# Altium PCB Lay-51943_B.brd.PcbDoc (part 4 of 8) (continued)
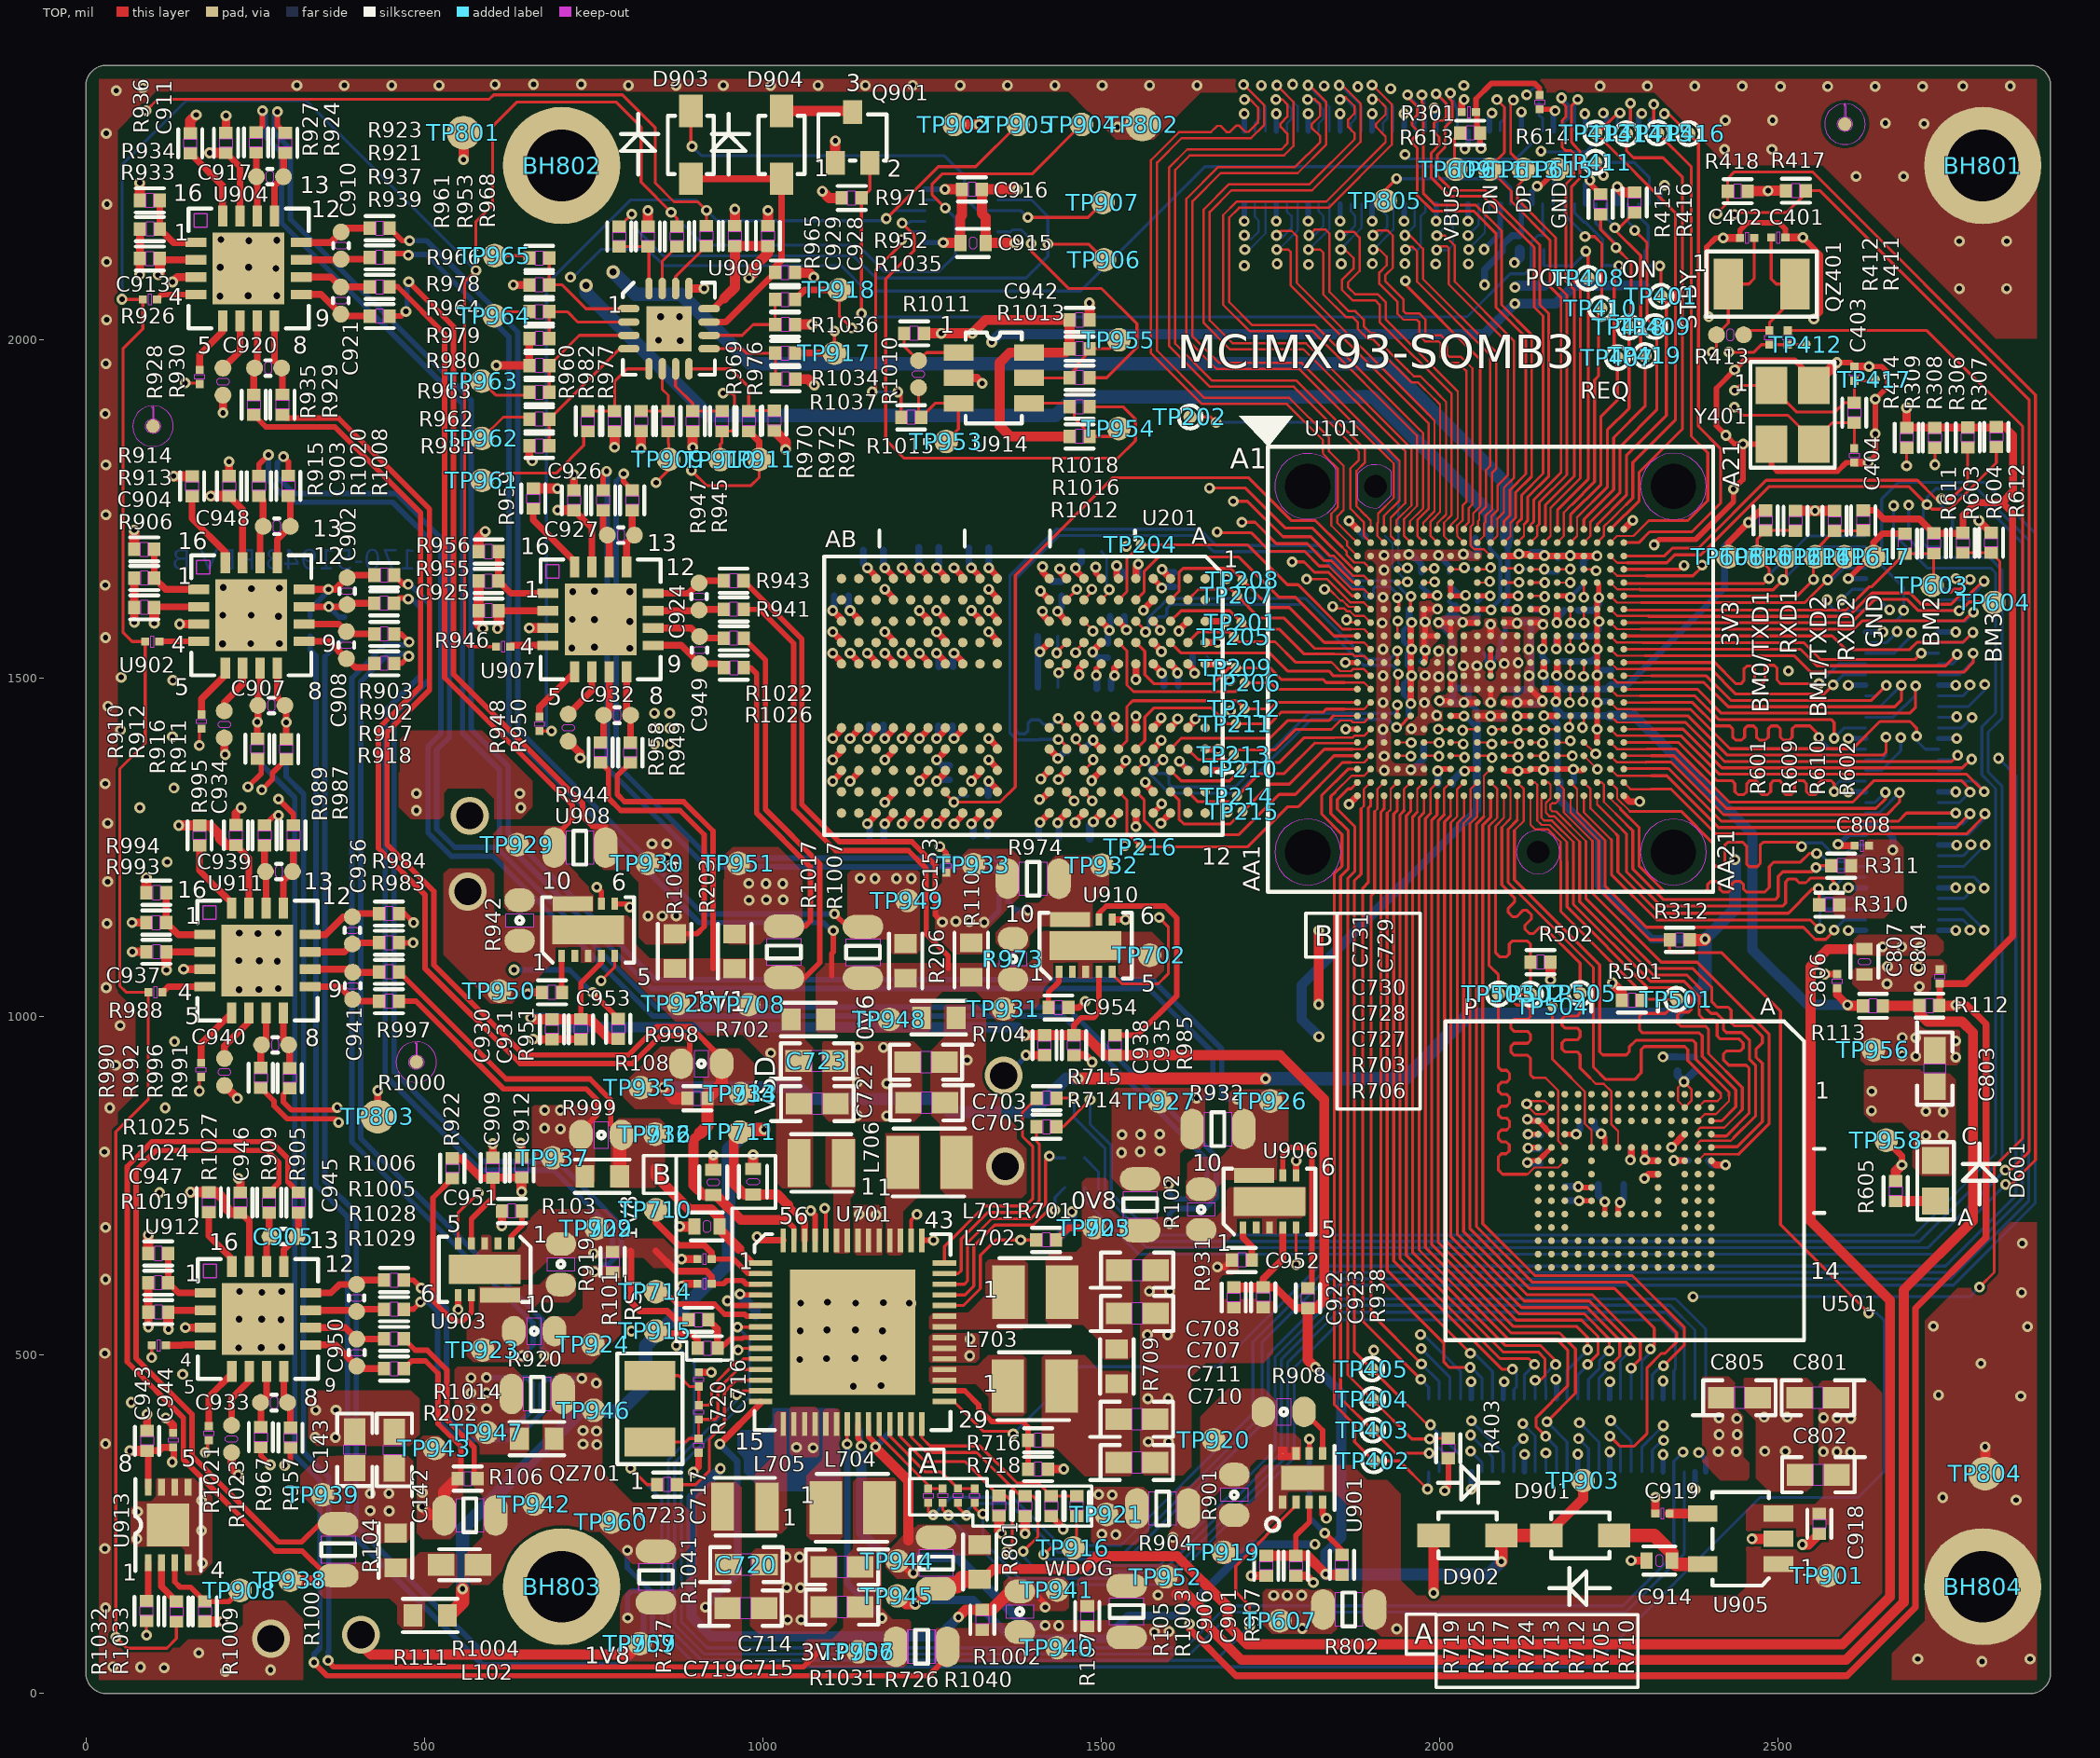
[diagram p0: TOP view]
## Nets (pads, with @x,y where several pads share a name; then routed paths per layer and width w, separated by ;. In a path a pad name is that pad's centre, name@x,y a point inside that pad or via, vN(x,y) a via of type N, cw(c..) or ccw(c..) an arc to the next point about the centre after c; other vN are vias at no path point) (continued)
  BOTTOM w10: v1(1103.63,1600.28) 1105.81,1602.46 C219.2@1105.81,1621.92 ; C215.2@1148.81,1689.42 1148.81,1669.3 v1(1154.83,1663.28) ; v1(1154.83,1285.28) 1158.2,1281.91 C222.2@1158.2,1265.81 ; v1(1154.83,1411.28) 1157.58,1414.03 C220.2@1157.58,1431.2 ; v1(1257.23,1348.28) 1259.35,1350.4 C209.2@1276.46,1350.4 ; v1(1257.23,1411.28) 1259.37,1413.42 C213.2@1259.37,1429.76 ; v1(1257.23,1537.28) 1260.25,1534.26 C210.2@1260.25,1516.94 ; v1(1257.23,1663.28) 1260.27,1666.32 C201.2@1260.27,1694.02 ; C207.2@1304.74,1693.39 1304.74,1666.97 v1(1308.43,1663.28) ; v1(1308.43,1285.28) 1311.25,1282.46 C212.2@1311.25,1267.24 ; R201.2@1333.56,1326.23 1333.56,1347.81 v1(1334.03,1348.28) ; R207.1@1406.39,1562.41 1406.39,1542.85 v1(1409.92,1539.32) 1406.82,1536.22 R208.1@1406.82,1486.62 ; v1(1435.87,1599.06) 1442.01,1605.2 C211.2@1442.01,1622.19 ; v1(1436.05,1286.68) 1437.81,1284.92 C206.2@1437.81,1264.33 ; v1(1436.31,1381.59) 1447.3,1392.58 C203.2@1451.24,1392.58 ; v1(1493,1443.98) 1499.88,1437.1 C208.2@1499.88,1425.87 ; v1(1493,1504.58) 1494.01,1503.57 C214.2@1494.01,1484.94 ; C205.2@1510.08,1551.83 1510.08,1568.57 v1(1512.57,1571.06) 1513.47,1571.96 C221.2@1513.47,1591.72 ; C204.2@1555.3,1650.61 v1@1555.3,1668.66 ; v1(1590.31,1661.23) 1594.98,1656.56 C216.2@1608.49,1656.56 ; v1(1613.14,1508.05) 1614.13,1507.06 C217.2@1614.13,1488.87 ; C218.2@1653.46,1366.12 1677.31,1366.12 v1(1680.47,1362.96) ; v1(1866.4,1732.8) 1888.99,1710.21 R204.2@1890.81,1710.21 ; C156.2@1916.64,1405.69 1916.84,1405.89 v1(1916.84,1424.75) ; v1(1954.93,1683.2) 1958.62,1683.2 1973.42,1668.4 C144.2@1973.42,1657.11 ; C152.2@1955.28,1602.08 1955.28,1586.27 v1(1959.01,1582.54) ; v1(1957.84,1364.99) 1960.4,1364.99 1976.46,1381.05 C141.2@1976.46,1402.3 ; v1(2000.23,1466.86) 2001.59,1465.5 C137.2@2017.23,1465.5 ; v1(2018.97,1540.57) 2018.97,1558.96 C124.2@2016.65,1561.28 2016.65,1564.86 v1(1998.97,1582.54) 2004.38,1582.54 C132.2@2014.48,1592.64 2024.68,1592.64 v1(2034.37,1582.95) 2046.42,1582.95 C134.2@2056.4,1592.93 ; v1(2019.01,1503.12) 2019.01,1487.2 C138.2@2020.47,1485.74 ; C116.2@2019.18,1343.55 2019.18,1348.68 2033.79,1363.29 v1(2037.46,1363.29) ; v1(2035.49,1683.67) 2036.7,1682.46 R302.1@2057.1,1682.46 2057.1,1692.25 2053.21,1696.14 C155.2@2053.21,1707.32 ; C114.2@2094.86,1483.81 2114.2,1483.81 C107.2@2114.3,1483.71 ; C117.2@2096.88,1463.25 2113.98,1463.25 v1(2115.15,1464.42) ; v1(2114.83,1581.62) 2116.53,1583.32 C102.2@2135.81,1583.32 ; v1(2130.03,784.66) 2130.67,784.02 C506.2@2149.11,784.02 ; v1(2131.04,826.56) 2131.95,825.65 C505.2@2149.42,825.65 ; R303.2@2135.89,1686.25 2150.74,1686.25 v1(2155.4,1681.59) ; v1(2152.19,1466.7) 2147.47,1461.98 C131.2@2133.27,1461.98 2130.83,1464.42 v1(2115.15,1464.42) ; v1(2153.12,1579.8) 2149.6,1583.32 C102.2@2135.81,1583.32 ; R305.2@2175.22,1677.29 2179.52,1681.59 v1(2193.39,1681.59) ; C135.2@2179.85,1525.06 2224.66,1525.06 2233.2,1533.6 v1(2233.2,1543.21) ; C503.2@2186,749.29 2205.12,749.29 v1(2205.31,749.1) ; C130.2@2192.81,1562.5 2226.42,1562.5 2235.95,1572.03 v1(2235.95,1583.97) ; v1(2198.05,1365.65) 2198.83,1364.87 C129.2@2198.83,1346.8 ; C148.2@2205.45,1600.71 2227.09,1600.71 2235.62,1609.24 v1(2235.62,1619.36) ; C149.2@2212.84,1660.18 2212.84,1674.02 2219.78,1680.96 v1(2233.04,1680.96) ; C507.2@2228.82,845.33 2228.82,837.45 v1(2239.11,827.16) ; v1(2233.2,1464.51) 2234.55,1465.86 C118.2@2251.94,1465.86 ; v1(2233.2,1504.59) 2240.73,1512.12 C119.2@2254.12,1512.12 ; v1(2267.11,725.61) 2272.43,730.93 C501.2@2272.43,752.27 ; v1(2282.27,788.5) 2283.24,789.47 C502.2@2283.24,806.33 ; v1(2330.44,940.75) C508.2@2351.83,940.75 2351.88,940.7 C509.2@2377.64,940.7 ; C504.2@2397.17,787.6 2403.63,781.14 v1(2422.97,781.14) ; C137.2@2017.23,1465.5 2018.31,1464.42 v1(2036.36,1464.42) 2042.69,1470.75 C108.2@2042.69,1485.27 2042.22,1485.74 C138.2@2020.47,1485.74 ; C137.2@2017.23,1465.5 2017.23,1470.32 2020.47,1473.56 C138.2@2020.47,1485.74 ; C107.2@2114.3,1483.71 2114.3,1465.27 v1(2115.15,1464.42) ; C107.2@2114.3,1483.71 2133.91,1483.71 C145.2@2136.1,1485.9 2136.1,1500.44 v1(2132.65,1503.89) 2136.13,1507.37 2136.13,1539.1 v1(2132.17,1543.06) 2133.04,1543.93 2133.04,1546.02 2135.21,1548.19 C110.2@2135.21,1562.15 2135.21,1582.72 C102.2@2135.81,1583.32
  BOTTOM w12: C202.2@1483.6,1263.51 1483.6,1283 v1(1488.77,1288.17)
  BOTTOM w15: v1(2110.88,2114.2) 2118.86,2122.18 C809.2@2118.86,2133.32 ; v1(2111.84,2077.86) 2114.18,2080.2 C405.2@2155.37,2080.2
  other v1: 205.82,32.78 273,34.91 115.59,38.13 39.89,39.66 80.6,39.12 2801.85,47.32 2707.03,51.14 2872.96,51.14 166.81,60.14 1036.84,109.03 1056.84,109.03 28.98,126.9 1035.77,156.55 1055.77,156.55 172.22,192.7 1034.69,201.57 1054.69,201.57 28.03,214.16 75.43,228.62 170.95,240.88 76.28,268.77 170.95,285.26 2852.31,285.89 2743.73,289.71 2480.88,358.12 2511.39,358.12 28.98,369.14 1570.02,372.1 1600.02,372.1 338.74,378.66 368.74,378.66 2479.83,408.35 2514.02,408.61 339.59,418.81 369.59,418.81 66.94,430.22 1569.3,435.75 1599.3,435.75 2859.2,439.59 2737.62,441.12 143.12,471.7 2800.32,487.76 28.03,502.76 1568.59,530.14 1598.59,530.14 2869.14,542.05 2729.97,542.82 2860.39,592.65 1571.45,594.49 1601.45,594.49 28.98,612.1 2861.44,665.2 28.98,688.86 108.71,740.1 27.47,800.36 2718.9,824.57 2744.4,824.25 1183.55,853.67 1140.03,853.96 2718.91,860.27 2744.41,859.95 2638.58,861.23 35.3,865.5 117.12,865.5 2638.9,889.92 1183.56,901.31 1140.03,902.78 43.81,928.55 1140.91,954.84 1178.56,954.84 130.89,963.38 50.6,987.08 30.14,1043.15 2709.35,1044.84 2661.53,1048.67 2662.17,1074.17 2708.39,1074.17 31.19,1137.77 32.24,1199.66 120.18,1228.71 1535.12,1253.1 32.24,1286.06 1686.89,1302.55 79.65,1309.01 130.12,1338.06 28.57,1344.37 1918.53,1364.12 1918.46,1385.16 127.83,1413.76 51.36,1423.7 1691.6,1451.91 32.77,1458.96 1916.84,1464.43 1690.59,1496.41 128.59,1497.11 52.13,1501.7 1916.84,1503.8 1916.84,1543.17 29.09,1560.42 1915.55,1581.93 1916.74,1620.04 28.56,1637.69 1685.66,1647.21 1918.24,1660.28 1918.24,1681.96 1537.42,1694.88 29.61,1741.77 29.61,1815.37 28.56,1891.06 29.61,1965.18 30.67,2029.84 2768.37,2076.02 2838.37,2076.02 30.67,2115.53 2768.37,2146.02 2838.37,2146.02 31.2,2200.69 2615.92,2241.69 2685.92,2241.69 2421.42,2281.64 2491.42,2281.64 30.15,2305.3 2716.32,2319.49 2659.03,2320.54 2422.48,2324.74 2492.48,2324.74 44.86,2368.37 83.76,2372.58 2503.95,2374.68 2573.95,2374.68 2643.95,2374.68 2713.95,2374.68 2237.43,2375.21 2307.43,2375.21 2377.43,2375.21 2447.43,2375.21 2773.62,2375.2 2843.62,2375.2 311.85,2376.25 381.85,2376.25 451.85,2376.25 521.85,2376.25 801.85,2376.25 871.85,2376.25 941.85,2376.25 1011.85,2376.25 1081.85,2376.25 1151.85,2376.25 1221.85,2376.25 1291.85,2376.25 1361.85,2376.25 1431.85,2376.25 1501.85,2376.25 1571.85,2376.25 1641.85,2376.25 604.57,2377.59 661.47,2377.84 732.03,2377.84
  other v2: 1134.02,454.15 1175.18,454.89 1054.84,493.53 1094.5,495.02 1136.4,495.39 1178.54,495.51 225.72,510.73 259.01,511.1 289.55,511.97 1055.4,536 1177.23,535.91 1095.06,537.49 1137.15,537.49 288.24,552.37 226.28,553.2 259.76,553.2 1056.19,576.89 1137.38,576.89 1178.54,577.63 1216.7,576.89 1095.85,578.38 259.99,592.6 227.07,594.09 289.55,594.09 226.32,1040.08 255.66,1040.52 284.32,1041.76 256.41,1082.62 283.01,1082.16 225.92,1082.99 254.39,1123.14 226.71,1123.88 284.32,1123.88 803.79,1544.45 718.11,1544.88 751.36,1546.07 201.77,1550.87 243.67,1551.24 285.81,1551.36 803.79,1584.2 718.67,1587.35 751.36,1587.01 284.5,1591.76 202.33,1593.34 244.42,1593.34 719.46,1628.24 803.79,1628.16 751.36,1628.78 244.65,1632.74 285.81,1633.48 203.12,1634.23 846.28,1999.78 878.08,1999.03 849.46,2034.57 877.33,2034.39 198.03,2064.96 239.93,2065.33 282.07,2065.45 280.76,2105.85 198.59,2107.43 240.68,2107.43 240.91,2146.83 282.07,2147.57 199.38,2148.32
  other v3: 1711.91,2109.92 1806.72,2111.61 1760.16,2112.7 1855.04,2112.73 1901.05,2112.76 1949.13,2112.75 1994.73,2112.22 2042.98,2112.53 1928.13,2371.48 1879.56,2374.34 1829.79,2375.64 1737,2376.32 2036.21,2376.17 1783.32,2377.84
  other v4: 273.52,81.17 567.37,1297.05
GPIO_IO00: J803.22 U101.J21 | length 591.8
  TOP w4.4: U101.J21@2272.57,1562.85 2580.33,1562.85 2600.57,1542.61 2695.1,1542.61 2705.96,1553.47 2773.92,1553.47 v1(2788.41,1567.96)
  BOTTOM w4.4: J803.22@2737.55,1552.93 2773.38,1552.93 v1(2788.41,1567.96)
GPIO_IO01: J803.24 U101.J20 | length 502.8
  TOP w3.2: U101.J20@2252.89,1562.85 2262.82,1552.92 2300.16,1552.92
  TOP w4.4: 2300.16,1552.92 2538.23,1552.92 2563.05,1528.1 2702.97,1528.1 v1(2712.05,1537.18)
  BOTTOM w4.4: v1(2712.05,1537.18) J803.24@2737.55,1537.18
GPIO_IO02: J803.28 U101.K20 | length 640.7
  TOP w3.2: U101.K20@2252.89,1543.17 2262.64,1533.42 2303.48,1533.42
  TOP w4.4: 2303.48,1533.42 2524.67,1533.42 2548.79,1509.3 2774.7,1509.3 2788.73,1523.33 v1(2788.73,1537.36)
  BOTTOM w4.4: J803.28@2737.55,1505.68 2768.53,1505.68 2788.73,1525.88 v1(2788.73,1537.36)
GPIO_IO03: J803.26 U101.K21 | length 547.4
  TOP w4.4: U101.K21@2272.57,1543.17 2533.51,1543.17 2557.98,1518.7 2748.22,1518.7 v1(2765.14,1535.62)
  BOTTOM w4.4: J803.26@2737.55,1521.43 2758.14,1521.43 2765.14,1528.43 v1(2765.14,1535.62)
GPIO_IO04: J803.23 U101.L17 | length 653.9
  TOP w3.6: v1(2193.25,1504.66) 2193.83,1505.24 U101.L17@2193.83,1523.48
  L3_INT_1 w3.6: v1(2193.25,1504.66) 2193.25,1499.66 2209.72,1483.19 2527.99,1483.19 2580.88,1536.08 2666.32,1536.08 v1(2697.88,1567.64)
  BOTTOM w4.4: J803.23@2629.85,1537.18 2672.2,1537.18 2697.88,1562.86 v1(2697.88,1567.64)
GPIO_IO05: J803.21 U101.L18 | length 576.2
  TOP w3.6: v1(2213.18,1502.91) 2213.23,1502.96 2213.23,1505.84 2213.52,1506.13 U101.L18@2213.52,1523.48
  L3_INT_1 w3.6: v1(2213.18,1502.91) 2224.3,1491.79 2524.42,1491.79 2585.29,1552.66 2662.8,1552.66 2676.35,1566.21 v1(2676.35,1569.23)
  BOTTOM w4.4: J803.21@2629.85,1552.93 2661.11,1552.93 2676.35,1568.17 v1(2676.35,1569.23)
GPIO_IO06: J803.27 U101.L20 | length 408.2
  TOP w3.2: U101.L20@2252.89,1523.48 2262.64,1513.73 2301.16,1513.73
  TOP w4.4: 2301.16,1513.73 2401.28,1513.73 2438.12,1476.89 2568.23,1476.89 v1(2581.84,1490.5)
  BOTTOM w4.4: v1(2581.84,1490.5) 2597.02,1505.68 J803.27@2629.85,1505.68
GPIO_IO07: J803.25 U101.L21 | length 469.2
  TOP w4.4: U101.L21@2272.57,1523.48 2407.01,1523.48 2438.4,1492.09 2445.58,1492.09 2449.98,1496.49 2449.98,1513.97 2454.38,1518.37 2461.51,1518.37 2465.91,1513.97 2465.91,1496.49 2470.31,1492.09 2476.54,1492.09 2480.94,1496.49 2480.94,1516.27 2484.06,1519.39 2494.82,1519.39 2498.96,1515.25 2498.96,1497.62 2504.49,1492.09 v1(2560.9,1492.09)
  BOTTOM w4.4: v1(2560.9,1492.09) 2590.24,1521.43 J803.25@2629.85,1521.43
GPIO_IO08: J803.33 U101.M20 | length 540.7
  TOP w3.2: U101.M20@2252.89,1503.8 2262.65,1494.04 2301.74,1494.04
  TOP w4.4: 2301.74,1494.04 2390.9,1494.04 2426.85,1458.09 2672.94,1458.09 2682.76,1467.91 v1(2682.76,1489.86)
  BOTTOM w4.4: J803.33@2629.85,1458.44 2651.15,1458.44 2682.57,1489.86 v1(2682.76,1489.86)
GPIO_IO09: J803.31 U101.M21 | length 449.3
  TOP w3.2: U101.M21@2272.57,1503.8 2313.43,1503.8
  TOP w4.4: 2313.43,1503.8 2394.45,1503.8 2430.76,1467.49 2638.52,1467.49 v1(2660.57,1489.54)
  BOTTOM w4.4: J803.31@2629.85,1474.19 2645.22,1474.19 v1(2660.57,1489.54)
GPIO_IO10: J803.34 U101.N17 | length 749.7
  TOP w3.6: v1(2192.39,1464.13) 2192.99,1464.73 2192.99,1468.02 2193.83,1468.86 U101.N17@2193.83,1484.11
  L3_INT_1 w3.6: v1(2192.39,1464.13) 2213.41,1443.11 2430.65,1443.11 2448.61,1461.07 2775.88,1461.07 v1(2805.94,1491.13)
  BOTTOM w4.4: J803.34@2737.55,1458.44 2781.85,1458.44 2805.94,1482.53 v1(2805.94,1491.13)
GPIO_IO11: J803.32 U101.N18 | length 668.9
  TOP w3.6: v1(2212.33,1465.68) 2212.33,1482.92 U101.N18@2213.52,1484.11
  L3_INT_1 w3.6: v1(2212.33,1465.68) 2226.3,1451.71 2427.07,1451.71 2445.03,1469.67 2763.74,1469.67 2784.05,1489.98 v1(2784.05,1490.18)
  BOTTOM w4.4: J803.32@2737.55,1474.19 2773.69,1474.19 2784.05,1484.55 v1(2784.05,1490.18)
GPIO_IO12: J803.37 U101.N20 | length 427
  TOP w3.2: U101.N20@2252.89,1484.11 2262.82,1474.18 2296.51,1474.18
  TOP w4.4: 2296.52,1474.17 2377.82,1474.17 2412.7,1439.29 2578.95,1439.29 2583.35,1434.89 v1(2583.35,1411.63)
  BOTTOM w4.4: v1(2583.35,1411.63) v1(2583.35,1411.63) 2598.6,1426.94 J803.37@2629.85,1426.94
GPIO_IO13: J803.35 U101.N21 | length 582
  TOP w4.4: U101.N21@2272.57,1484.11 2381.18,1484.11 2416.6,1448.69 2694.95,1448.69 2703.61,1457.35 2703.61,1488.92 v1(2703.75,1489.06)
  BOTTOM w4.4: J803.35@2629.85,1442.69 2670.79,1442.69 2703.61,1475.51 2703.61,1488.92 v1(2703.75,1489.06)
GPIO_IO14: J803.42 U101.P20 | length 557.3
  TOP w3.2: U101.P20@2252.89,1464.43 2262.83,1454.49 2285.38,1454.49
  TOP w4.4: 2285.38,1454.49 2370.88,1454.49 2429.38,1395.99 2610.65,1395.99 2651,1436.34 2695.34,1436.34 2705.2,1426.48 v1(2705.2,1414.63)
  BOTTOM w4.4: v1(2705.2,1414.63) 2707.44,1412.39 2707.44,1406.02 2718.01,1395.45 J803.42@2737.55,1395.45
GPIO_IO15: J803.41 U101.P21 | length 483.5
  TOP w3.2: U101.P21@2272.58,1464.42 2313.43,1464.42
  TOP w4.4: 2313.43,1464.42 2374.26,1464.42 2408.79,1429.89 2429,1429.89 2433.4,1425.49 2433.4,1413.24 2437.8,1408.84 2446.6,1408.84 2451,1413.24 2451,1425.49 2455.4,1429.89 2464.2,1429.89 2468.6,1425.49 2468.6,1413.24 2473,1408.84 2481.8,1408.84 2486.2,1413.24 2486.2,1425.49 2490.6,1429.89 2499.4,1429.89 2503.8,1425.49 2503.8,1413.24 2508.2,1408.84 2517,1408.84 2521.4,1413.24 2521.4,1425.49 2525.8,1429.89 2547.41,1429.89 2560.61,1416.69 v1(2560.61,1412.77)
  BOTTOM w4.4: v1(2560.61,1412.77) 2560.71,1412.77 2578.03,1395.45 J803.41@2629.85,1395.45
GPIO_IO16: J803.43 U101.R21 | length 495.3
  TOP w4.4: U101.R21@2272.57,1444.74 2367.32,1444.74 2425.47,1386.59 2655.54,1386.59 2659.94,1390.99 v1(2659.94,1413.35)
  BOTTOM w4.4: J803.43@2629.85,1379.7 2653.06,1379.7 2659.94,1386.58 v1(2659.94,1413.35)
GPIO_IO17: J803.44 U101.R20 | length 575.5
  TOP w3.2: U101.R20@2252.89,1444.74 2262.64,1434.99 2303.66,1434.99
  TOP w4.4: 2303.66,1434.99 2363.76,1434.99 2421.56,1377.19 2756.71,1377.19 v1(2765.77,1386.25)
  BOTTOM w4.4: J803.44@2737.55,1379.7 2759.22,1379.7 v1(2765.77,1386.25)
GPIO_IO18: J803.36 U101.R18 | length 625.5
  TOP w3.6: v1(2211.4,1427.36) 2213.52,1429.48 U101.R18@2213.52,1444.74
  L3_INT_1 w3.6: v1(2211.4,1427.36) 2226.74,1412.02 2507.32,1412.02 2547.77,1452.47 2755.27,1452.47 v1(2764.5,1443.24)
  BOTTOM w4.4: J803.36@2737.55,1442.69 2763.95,1442.69 v1(2764.5,1443.24)
GPIO_IO19: J803.38 U101.R17 | length 710.7
  TOP w3.6: v1(2191.4,1427.7) 2193.83,1430.13 U101.R17@2193.83,1444.74
  L3_INT_1 w3.6: v1(2191.4,1427.7) 2192.69,1427.7 2219.1,1401.29 2508.76,1401.29 2551.34,1443.87 2742.93,1443.87 2758.36,1428.44 2773.53,1428.44 v1(2787.29,1442.2)
  BOTTOM w4.4: J803.38@2737.55,1426.94 2772.03,1426.94 v1(2787.29,1442.2)
GPIO_IO20: J803.48 U101.T20 | length 665.9
  TOP w3.2: U101.T20@2252.89,1425.06 2262.79,1415.16 2313.43,1415.16
  TOP w4.4: 2313.43,1415.16 2356.98,1415.16 2413.75,1358.39 2779.29,1358.39 v1(2805.04,1332.64)
  BOTTOM w4.4: J803.48@2737.55,1348.2 2792.04,1348.2 2805.04,1335.2 v1(2805.04,1332.64)
GPIO_IO21: J803.46 U101.T21 | length 598.6
  TOP w3.2: U101.T21@2272.57,1425.06 2313.43,1425.06
  TOP w4.4: 2313.43,1425.06 2360.39,1425.06 2417.66,1367.79 2772.81,1367.79 2785.62,1380.6 v1(2786.42,1380.6)
  BOTTOM w4.4: J803.46@2737.55,1363.95 2768.97,1363.95 2785.62,1380.6 v1(2786.42,1380.6)
GPIO_IO22: J803.45 U101.U18 | length 601.1
  TOP w3.2: U101.U18@2213.52,1405.37 2220.43,1398.46 2221.2,1398.46 v1(2231.17,1388.49)
  L3_INT_1 w3.6: v1(2231.17,1388.49) 2231.17,1386.08 2241.68,1375.57 2678.34,1375.57 2681.94,1379.17 v1(2681.94,1412.71)
  BOTTOM w4.4: J803.45@2629.85,1363.95 2652.94,1363.95 2681.94,1392.95 v1(2681.94,1412.71)
GPIO_IO23: J803.52 U101.U20 | length 643.4
  TOP w3.2: U101.U20@2252.89,1405.37 2262.65,1395.61 2306.01,1395.61
  TOP w4.4: 2306.01,1395.61 2349.91,1395.61 2428.27,1317.25 2610.65,1317.25 2642.39,1348.99 2771.48,1348.99 2784.05,1336.42 v1(2784.05,1331.84)
  BOTTOM w4.4: J803.52@2737.55,1316.71 2768.92,1316.71 v1(2784.05,1331.84)
GPIO_IO24: J803.47 U101.U21 | length 529.8
  TOP w4.4: U101.U21@2272.57,1405.37 2353.46,1405.37 2409.84,1348.99 2432.38,1348.99 2436.78,1344.59 2436.78,1332.66 2441.18,1328.26 2449.98,1328.26 2454.38,1332.66 2454.38,1344.59 2458.78,1348.99 2467.58,1348.99 2471.98,1344.59 2471.98,1332.66 2476.38,1328.26 2485.18,1328.26 2489.58,1332.66 2489.58,1344.59 2493.98,1348.99 2502.78,1348.99 2507.18,1344.59 2507.18,1332.66 2511.58,1328.26 2520.38,1328.26 2524.78,1332.66 2524.78,1344.59 2529.18,1348.99 2537.98,1348.99 2542.38,1344.59 2542.38,1332.66 2546.78,1328.26 2555.58,1328.26 2559.98,1332.66 2559.98,1344.59 2564.38,1348.99 2578.94,1348.99 2583.35,1344.58 v1(2583.35,1332.7)
  BOTTOM w4.4: v1(2583.35,1332.7) 2583.35,1340.26 2591.29,1348.2 J803.47@2629.85,1348.2
GPIO_IO25: J803.51 U101.V21 | length 469.7
  TOP w3.2: U101.V21@2272.58,1385.68 2313.43,1385.68
  TOP w4.4: 2313.43,1385.68 2346.53,1385.68 2424.36,1307.85 2645.02,1307.85 2658.99,1321.82 v1(2658.99,1331.74)
  BOTTOM w4.4: J803.51@2629.85,1316.71 2643.96,1316.71 v1(2658.99,1331.74)
GPIO_IO26: J803.53 U101.V20 | length 547.8
  TOP w3.2: U101.V20@2252.89,1385.69 2262.65,1375.93 2304.74,1375.93
  TOP w4.4: 2304.74,1375.93 2305.09,1376.28 2342.63,1376.28 2420.46,1298.45 2661.2,1298.45 2679.99,1317.24 v1(2679.99,1331.14)
  BOTTOM w4.4: J803.53@2629.85,1300.96 2649.81,1300.96 v1(2679.99,1331.14)
GPIO_IO27: J803.54 U101.W21 | length 553.5
  TOP w4.4: U101.W21@2272.57,1366 2273.45,1366.88 2338.73,1366.88 2416.56,1289.05 2678.32,1289.05 2690.23,1300.96 v1(2763.05,1300.96)
  BOTTOM w4.4: J803.54@2737.55,1300.96 v1(2763.05,1300.96)
GPIO_IO28: J803.56 U101.W20 | length 630.8
  TOP w3.2: U101.W20@2252.89,1366 2262.74,1356.15 2313.43,1356.15
  TOP w4.4: 2313.43,1356.15 2336.16,1356.15 2412.66,1279.65 2763.65,1279.65 v1(2784.03,1300.03)
  BOTTOM w4.4: J803.56@2737.55,1285.21 2774.11,1285.21 2784.03,1295.13 v1(2784.03,1300.03)
GPIO_IO29: J803.58 U101.Y21 | length 663.9
  TOP w3.2: U101.Y21@2272.57,1346.32 2282.57,1336.32 2313.43,1336.32
  TOP w4.4: 2313.43,1336.32 2342.69,1336.32 2408.76,1270.25 2778.93,1270.25 2806.15,1297.47 v1(2806.15,1300.03)
  BOTTOM w4.4: J803.58@2737.55,1269.46 2781.95,1269.46 2806.15,1293.66 v1(2806.15,1300.03)
I2C1_SCL: J803.4 R307.2 R717.1 U101.C20 | length 3856.6
  TOP w3: U101.C20@2252.89,1680.96 2262.87,1670.98 2277.23,1670.98
  TOP w4.4: R717.1@1288.66,282 1288.66,275.9 v1(1301.28,263.28) ; 2277.23,1670.98 2336.12,1670.98 2347.66,1682.52 2386.12,1682.52 2486.88,1783.28 2694.27,1783.28 v1(2720.54,1757.01) 2727.58,1749.97 2754.44,1749.97 2823.11,1818.64 R307.2@2823.11,1841.99
  BOTTOM w4.4: v1(1301.28,263.28) 1301.28,268.88 1313.11,280.71 1365.13,280.71 1437.52,208.32 1534.5,208.32 1737.82,411.64 1737.82,519.01 1831.74,612.93 2755.74,612.93 2871,728.19 2871,1703.8 2794.43,1780.37 2733.54,1780.37 2720.54,1767.37 v1(2720.54,1757.01) 2715.28,1751.75 2715.28,1699.06 2719.68,1694.66 J803.4@2737.55,1694.66
I2C1_SDA: J803.2 R306.2 R719.1 U101.C21 | length 3770.5
  TOP w4.4: R719.1@1244.73,281.75 1244.73,269.34 1250.26,263.81 v1(1251.94,263.81) ; U101.C21@2272.57,1680.96 2332.79,1680.96 2344.39,1692.56 2382.86,1692.56 2482.98,1792.68 2706.37,1792.68 2733.88,1765.17 v1(2741.7,1765.17) 2756.34,1765.17 2780.77,1789.6 R306.2@2780.77,1841.2
  BOTTOM w4.4: v1(1251.94,263.81) 1278.24,290.11 1369.03,290.11 1440.3,218.84 1529.3,218.84 1724.67,414.21 1724.67,519.26 1827.74,622.33 2751.84,622.33 2861.6,732.09 2861.6,1699.89 2790.52,1770.97 2747.5,1770.97 v1(2741.7,1765.17) 2741.7,1755.65 2758.25,1739.1 2758.25,1719.11 2749.55,1710.41 J803.2@2737.55,1710.41
I2C2_SCL: J803.8 R309.2 R714.1 U101.D20 | length 3251.6
  TOP w3.2: U101.D20@2252.89,1661.28 2262.64,1651.53 2305.58,1651.53
  TOP w4.4: R714.1@1434.17,837.5 1444.06,837.5 v1(1483.91,877.35) ; 2305.58,1651.53 2374.78,1651.53 2388.32,1665.07 v1(2388.32,1667.48) ; v1(2690.47,1814.08) R309.2@2690.47,1841
  L3_INT_1 w3.6: v1(2388.32,1667.48) 2402.31,1681.47 2597.51,1681.47 v1(2671.29,1755.25) 2671.29,1794.9 v1(2690.47,1814.08)
  BOTTOM w4.4: v1(1483.91,877.35) 1483.91,841.11 1515.12,809.9 1515.12,739.32 1576.93,677.51 2701.59,677.51 2822.01,797.93 2822.01,1337.17 2801.62,1357.56 2801.62,1428.44 2822.01,1448.83 2822.01,1656.07 2814.92,1663.16 J803.8@2737.55,1663.16 2721.26,1663.16 2671.29,1713.13 v1(2671.29,1755.25)
I2C2_SDA: J803.6 R308.2 R715.1 U101.D21 | length 3263.4
  TOP w4.4: R715.1@1434.52,879.87 v1(1460.36,879.87) ; U101.D21@2272.57,1661.28 2355.82,1661.28 v1(2361.54,1667) ; v1(2732.32,1815.84) R308.2@2732.32,1840.99
  L3_INT_1 w3.6: v1(2361.54,1667) 2380.12,1648.42 2409.78,1648.42 2430.05,1668.69 2606.24,1668.69 v1(2693.6,1756.05) 2693.6,1777.12 v1(2732.32,1815.84)
  BOTTOM w4.4: v1(1460.36,879.87) 1460.36,851.35 1505.72,805.99 1505.72,735.42 1573.03,668.11 2709.55,668.11 2831.41,789.97 2831.41,1341.08 2811.02,1361.47 2811.02,1420.55 2831.41,1440.94 2831.41,1659.97 2812.47,1678.91 J803.6@2737.55,1678.91 2721.03,1678.91 2693.6,1706.34 v1(2693.6,1756.05)
JTAG_TCK: J801.76 R403.1 TP404.1 U101.Y1 | length 1154.1
  TOP w4.4: U101.Y1@1878.87,1346.32 1869.51,1336.96 1865.25,1336.96 1849.3,1321.01 1849.3,1306.9 1875,1281.2 1875,1215.02 1864.76,1204.78 1864.76,470.86 TP404.1@1901.21,434.41 1959.46,376.16 v1(1985.84,376.16) 1986.82,377.14 R403.1@2013.28,377.14
  BOTTOM w4.4: v1(1985.84,376.16) 2015.64,346.36 J801.76@2015.64,327.61
JTAG_TDI: J801.80 TP402.1 U101.W1 | length 1216.5
  TOP w4.4: U101.W1@1878.87,1366 1864.8,1366 1826.34,1327.54 1826.34,1299.34 1856.2,1269.48 1856.2,1222.83 1844.7,1211.33 1844.7,426.91 1874.83,396.78 1874.83,371.91 TP402.1@1902.96,343.78 1940.81,343.78 v1(1982.48,302.11)
  BOTTOM w4.4: v1(1982.48,302.11) 1984.14,303.77 J801.80@1984.14,327.61
JTAG_TDO: J801.74 TP405.1 U101.Y2 | length 1096.6
  TOP w3.2: 1884.4,1307.34 1888.62,1311.56 1888.62,1336.39 U101.Y2@1898.55,1346.32
  TOP w4.4: 1884.4,1307.34 1884.4,1211.11 1874.16,1200.87 1874.16,505.49 TP405.1@1900.08,479.57 1982.52,397.13 v1(1987.04,397.13)
  BOTTOM w4.4: v1(1987.04,397.13) 1987.04,396.46 2031.31,352.19 2031.31,327.69 J801.74@2031.39,327.61
JTAG_TMS: J801.78 TP403.1 U101.W2 | length 1178.5
  TOP w3.2: 1846.29,1332.24 1870.25,1356.2 1888.76,1356.2 U101.W2@1898.55,1366
  TOP w4.4: 1846.29,1332.24 1839.72,1325.67 1839.72,1300.5 1865.6,1274.62 1865.6,1218.93 1854.1,1207.43 1854.1,436.47 TP403.1@1901.35,389.22 1935.4,355.17 v1(1984.98,355.17)
  BOTTOM w4.4: v1(1984.98,355.17) 1999.89,340.26 J801.78@1999.89,327.61
LPD4/X_VDD1: C201.1 C202.1 C203.1 C204.1 C205.1 C209.1 R202.2 R1006.1 R1014.2 TP947.1 U201.F1 U201.F12 U201.G4 U201.G9 U201.T4 U201.T9 U201.U1 U201.U12 | length 782.4
  TOP w8: R1006.1@470.17,610.95 483.98,610.95 v1(495.51,599.42)
  TOP w10: v1(1231.63,1285.28) 1244.48,1298.13 U201.U12@1244.48,1301.05 ; v1(1231.63,1663.28) 1244.48,1650.43 U201.U1@1244.48,1647.51 ; v1(1257.23,1379.78) 1270.07,1392.62 U201.T9@1270.07,1395.54 ; v1(1257.23,1568.78) 1270.07,1555.94 U201.T4@1270.07,1553.02 ; v1(1487.57,1538.94) 1487.57,1540.2 U201.G4@1500.39,1553.02 ; v1(1488.35,1408.86) 1488.35,1407.58 U201.G9@1500.39,1395.54 ; v1(1514.58,1287.5) 1514.58,1289.65 U201.F12@1525.98,1301.05 ; v1(1523.15,1666.33) 1523.15,1650.34 U201.F1@1525.98,1647.51
  BOTTOM w8: v1(495.51,599.42) 502.7,599.42 532.96,569.16 532.96,409.42 554.41,387.97 628.59,387.97 659.62,419 659.62,458.82 651.62,466.82 v1(591.86,466.82)
  BOTTOM w10: C201.1@1230.75,1694.02 1230.75,1664.16 v1(1231.63,1663.28) ; v1(1257.23,1379.78) 1265.59,1371.42 C209.1@1276.46,1371.42 ; C203.1@1472.26,1392.58 1472.26,1392.77 v1(1488.35,1408.86) ; v1(1487.57,1538.94) 1495.7,1530.81 C205.1@1510.08,1530.81 ; v1(1523.15,1666.33) 1534.28,1655.2 C204.1@1534.28,1650.61
  other v1: 569.5,420.8 592.12,421.06 569.24,444.2 591.86,444.46 569.24,466.56 840.38,1402.81 863,1403.07 840.12,1426.21 862.74,1426.47 840.12,1448.57 862.74,1448.83